# KiCad board rabbit_mask_capacitors.kicad_pcb (continued)
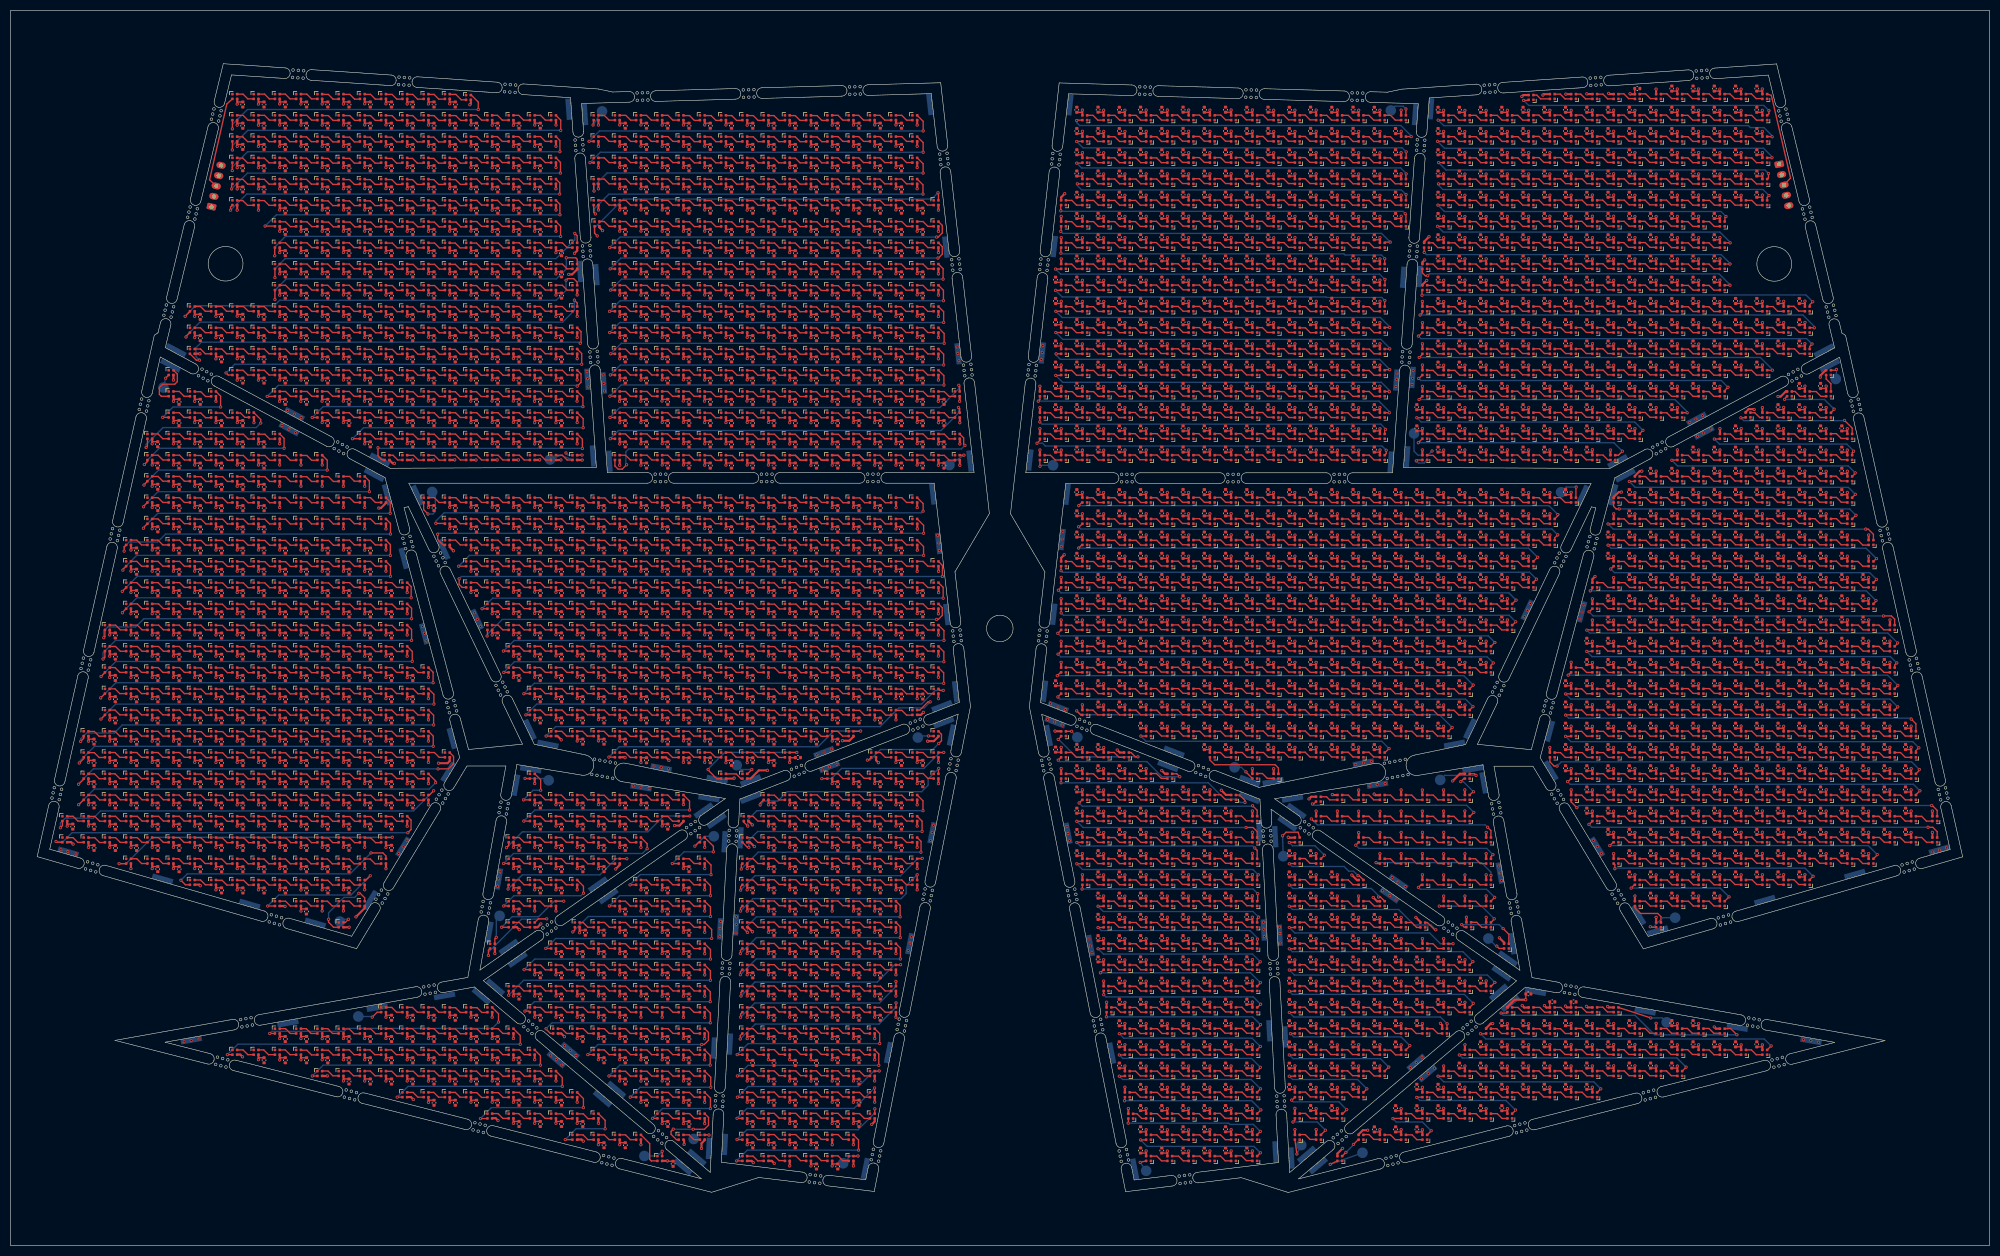
[diagram p0: board, top side]
## Routing (per net, layer and track width the routed paths; a pad name or vN(x,y) marks a point on that pad's centre or on a via; arc(x,y) is an arc through that point) (continued)
  Bottom w0.25: v1(204.7,63.86) 205.67,62.89 233.85,62.89 v1(234.93,61.81)
Net-(D2722-DIN): length 3.5
  Top w0.25: 213.84,63.91 212.74,63.91 211.84,64.81 210.74,64.81
Net-(D2723-DIN): length 3.5
  Top w0.25: 214.74,64.81 215.84,64.81 216.74,63.91 217.84,63.91
Net-(D2724-DIN): length 3.5
  Top w0.25: 221.74,63.91 220.64,63.91 219.74,64.81 218.64,64.81
Net-(D2725-DIN): length 3.5
  Top w0.25: 222.59,64.86 223.69,64.86 224.59,63.96 225.69,63.96
Net-(D2726-DIN): length 3.5
  Top w0.25: 226.69,64.86 227.79,64.86 228.69,63.96 229.79,63.96
Net-(D2727-DIN): length 3.5
  Top w0.25: 233.79,63.96 232.69,63.96 231.79,64.86 230.69,64.86
Net-(D2729-DIN): length 3.5
  Top w0.25: 242.54,64.86 243.64,64.86 244.54,63.96 245.64,63.96
Net-(D2729-DOUT): length 33.1
  Top w0.25: v1(240.7,63.86) 241.7,63.86 D2729.3 ; v1(268.27,59.44) 268.05,59.44 266.7,60.79 D2756.1
  Bottom w0.25: v1(268.27,59.44) 267.38,60.34 264.15,60.34 264.15,60.39 261.28,63.26 241.3,63.26 v1(240.7,63.86)
Net-(D2730-DIN): length 3.5
  Top w0.25: 249.69,63.96 248.59,63.96 247.69,64.86 246.59,64.86
Net-(D2731-DIN): length 3.5
  Top w0.25: 253.74,63.91 252.64,63.91 251.74,64.81 250.64,64.81
Net-(D2732-DIN): length 3.5
  Top w0.25: 257.79,63.91 256.69,63.91 255.79,64.81 254.69,64.81
Net-(D2734-DIN): length 3.5
  Top w0.25: 270.65,64.8 271.75,64.8 272.65,63.9 273.75,63.9
Net-(D2734-DOUT): length 13.1
  Top w0.25: D2734.3 268.95,63.91 v1(268.93,63.89) ; D2758.1 279.27,61.44 v1(279.27,61.51)
  Bottom w0.25: v1(279.27,61.51) 276.9,63.89 v1(268.93,63.89)
Net-(D2735-DIN): length 3.5
  Top w0.25: 274.7,64.8 275.8,64.8 276.7,63.9 277.8,63.9
Net-(D2737-DIN): length 3.5
  Top w0.25: 306.64,64.81 307.74,64.81 308.64,63.91 309.74,63.91
Net-(D2737-DOUT): length 7
  Top w0.25: D2759.1 310.65,61.91 310.05,62.51 306.82,62.51 305.75,63.59 D2737.3
Net-(D2738-DIN): length 3.5
  Top w0.25: 313.84,63.91 312.74,63.91 311.84,64.81 310.74,64.81
Net-(D2739-DIN): length 3.5
  Top w0.25: 317.84,63.91 316.74,63.91 315.84,64.81 314.74,64.81
Net-(D2740-DIN): length 3.5
  Top w0.25: 318.64,64.81 319.74,64.81 320.64,63.91 321.74,63.91
Net-(D2742-DIN): length 3.5
  Top w0.25: 206.64,60.8 207.74,60.8 208.64,59.9 209.74,59.9
Net-(D2742-DOUT): length 33
  Top w0.25: v1(234.7,57.66) 234.7,56.86 D2767.1 ; D2742.3 205.7,59.86 v1(204.7,59.86)
  Bottom w0.25: v1(234.7,57.66) 234.7,57.89 233.3,59.29 205.27,59.29 v1(204.7,59.86)
Net-(D2743-DIN): length 3.5
  Top w0.25: 213.84,59.9 212.74,59.9 211.84,60.8 210.74,60.8
Net-(D2744-DIN): length 3.5
  Top w0.25: 214.74,60.8 215.84,60.8 216.74,59.9 217.84,59.9
Net-(D2745-DIN): length 3.5
  Top w0.25: 218.64,60.8 219.74,60.8 220.64,59.9 221.74,59.9
Net-(D2746-DIN): length 3.5
  Top w0.25: 222.59,60.85 223.69,60.85 224.59,59.95 225.69,59.95
Net-(D2747-DIN): length 3.5
  Top w0.25: 229.79,59.95 228.69,59.95 227.79,60.85 226.69,60.85
Net-(D2748-DIN): length 3.5
  Top w0.25: 230.69,60.85 231.79,60.85 232.69,59.95 233.79,59.95
Net-(D2750-DIN): length 3.5
  Top w0.25: 245.64,59.95 244.54,59.95 243.64,60.85 242.54,60.85
Net-(D2750-DOUT): length 34
  Top w0.25: D2750.3 241.7,59.86 v1(240.7,59.86) ; D2775.1 v1(271.52,56.81)
  Bottom w0.25: v1(271.52,56.81) 269.15,56.81 267.12,58.84 241.72,58.84 v1(240.7,59.86)
Net-(D2751-DIN): length 3.5
  Top w0.25: 249.69,59.95 248.59,59.95 247.69,60.85 246.59,60.85
Net-(D2752-DIN): length 3.5
  Top w0.25: 250.64,60.8 251.74,60.8 252.64,59.9 253.74,59.9
Net-(D2753-DIN): length 3.5
  Top w0.25: 254.69,60.8 255.79,60.8 256.69,59.9 257.79,59.9
Net-(D2754-DIN): length 3.5
  Top w0.25: 258.59,60.8 259.69,60.8 260.59,59.9 261.69,59.9
Net-(D2755-DIN): length 3.1
  Top w0.25: D2756.3 264.65,59.89 263.74,60.8 262.64,60.8
Net-(D2757-DIN): length 3.2
  Top w0.25: 277.72,59.91 276.92,59.91 276,60.84 274.89,60.84
Net-(D2757-DOUT): length 12.5
  Top w0.25: v1(273.15,60.41) 273.62,59.94 D2757.3 ; v1(280.95,59.66) 282.02,58.59 D2776.1
  Bottom w0.25: v1(280.95,59.66) 280.2,60.41 v1(273.15,60.41)
Net-(D2760-DIN): length 3.5
  Top w0.25: 206.64,56.8 207.74,56.8 208.64,55.9 209.74,55.9
Net-(D2760-DOUT): length 33.4
  Top w0.25: v1(235.22,53.41) 234.65,52.84 D2784.1 ; D2760.3 205.7,55.86 v1(204.7,55.86)
  Bottom w0.25: v1(235.22,53.41) 233.77,54.86 205.7,54.86 v1(204.7,55.86)
Net-(D2761-DIN): length 3.5
  Top w0.25: 213.84,55.9 212.74,55.9 211.84,56.8 210.74,56.8
Net-(D2762-DIN): length 3.5
  Top w0.25: 217.84,55.9 216.74,55.9 215.84,56.8 214.74,56.8
Net-(D2763-DIN): length 3.5
  Top w0.25: 218.64,56.8 219.74,56.8 220.64,55.9 221.74,55.9
Net-(D2764-DIN): length 3.5
  Top w0.25: 222.59,56.85 223.69,56.85 224.59,55.95 225.69,55.95
Net-(D2765-DIN): length 3.5
  Top w0.25: 229.79,55.95 228.69,55.95 227.79,56.85 226.69,56.85
Net-(D2766-DIN): length 3.5
  Top w0.25: 233.79,55.95 232.69,55.95 231.79,56.85 230.69,56.85
Net-(D2768-DIN): length 3.5
  Top w0.25: 245.64,55.95 244.54,55.95 243.64,56.85 242.54,56.85
Net-(D2768-DOUT): length 37.5
  Top w0.25: D2793.1 275.25,53.41 v1(275.25,53.44) ; v1(240.7,55.86) 241.7,55.86 D2768.3
  Bottom w0.25: v1(275.25,53.44) 273.38,55.31 241.25,55.31 v1(240.7,55.86)
Net-(D2769-DIN): length 3.5
  Top w0.25: 249.69,55.95 248.59,55.95 247.69,56.85 246.59,56.85
Net-(D2770-DIN): length 3.5
  Top w0.25: 253.74,55.9 252.64,55.9 251.74,56.8 250.64,56.8
Net-(D2771-DIN): length 3.5
  Top w0.25: 257.79,55.9 256.69,55.9 255.79,56.8 254.69,56.8
Net-(D2772-DIN): length 3.5
  Top w0.25: 261.69,55.9 260.59,55.9 259.69,56.8 258.59,56.8
Net-(D2773-DIN): length 3.5
  Top w0.25: 262.64,56.8 263.74,56.8 264.64,55.9 265.74,55.9
Net-(D2774-DIN): length 3.5
  Top w0.25: 266.64,56.8 267.74,56.8 268.64,55.9 269.74,55.9
Net-(D2777-DIN): length 3.5
  Top w0.25: 209.74,51.9 208.64,51.9 207.74,52.8 206.64,52.8
Net-(D2777-DOUT): length 32.6
  Top w0.25: v1(235.25,49.49) 235.25,49.41 D2801.1 ; v1(205.15,51.34) 205.72,51.91 D2777.3
  Bottom w0.25: v1(235.25,49.49) 233.4,51.34 v1(205.15,51.34)
Net-(D2778-DIN): length 3.5
  Top w0.25: 213.84,51.9 212.74,51.9 211.84,52.8 210.74,52.8
Net-(D2779-DIN): length 3.5
  Top w0.25: 217.84,51.9 216.74,51.9 215.84,52.8 214.74,52.8
Net-(D2780-DIN): length 3.5
  Top w0.25: 218.64,52.8 219.74,52.8 220.64,51.9 221.74,51.9
Net-(D2781-DIN): length 3.5
  Top w0.25: 222.59,52.85 223.69,52.85 224.59,51.95 225.69,51.95
Net-(D2782-DIN): length 3.5
  Top w0.25: 229.79,51.95 228.69,51.95 227.79,52.85 226.69,52.85
Net-(D2783-DIN): length 3.5
  Top w0.25: 233.79,51.95 232.69,51.95 231.79,52.85 230.69,52.85
Net-(D2785-DIN): length 3.5
  Top w0.25: 242.54,52.85 243.64,52.85 244.54,51.95 245.64,51.95
Net-(D2785-DOUT): length 41.8
  Top w0.25: v1(279.4,49.51) 278.7,48.81 D2811.1 ; v1(240.7,51.86) 241.7,51.86 D2785.3
  Bottom w0.25: v1(240.7,51.86) 241.65,50.91 278,50.91 v1(279.4,49.51)
Net-(D2786-DIN): length 3.5
  Top w0.25: 249.69,51.95 248.59,51.95 247.69,52.85 246.59,52.85
Net-(D2787-DIN): length 3.5
  Top w0.25: 253.74,51.9 252.64,51.9 251.74,52.8 250.64,52.8
Net-(D2788-DIN): length 3.5
  Top w0.25: 257.79,51.9 256.69,51.9 255.79,52.8 254.69,52.8
Net-(D2789-DIN): length 3.5
  Top w0.25: 258.59,52.8 259.69,52.8 260.59,51.9 261.69,51.9
Net-(D2790-DIN): length 3.5
  Top w0.25: 265.74,51.9 264.64,51.9 263.74,52.8 262.64,52.8
Net-(D2791-DIN): length 3.5
  Top w0.25: 269.75,51.9 268.65,51.9 267.75,52.8 266.65,52.8
Net-(D2792-DIN): length 3.5
  Top w0.25: 270.7,52.8 271.8,52.8 272.7,51.9 273.8,51.9
Net-(D2794-DIN): length 3.5
  Top w0.25: 209.74,47.9 208.64,47.9 207.74,48.8 206.64,48.8
Net-(D2794-DOUT): length 31.9
  Top w0.25: v1(235.3,45.41) 234.7,44.81 D2819.1 ; v1(205.75,47.21) D2794.3
  Bottom w0.25: v1(205.75,47.21) 206.17,46.79 233.93,46.79 v1(235.3,45.41)
Net-(D2795-DIN): length 3.5
  Top w0.25: 213.84,47.9 212.74,47.9 211.84,48.8 210.74,48.8
Net-(D2796-DIN): length 3.5
  Top w0.25: 217.84,47.9 216.74,47.9 215.84,48.8 214.74,48.8
Net-(D2797-DIN): length 3.5
  Top w0.25: 218.64,48.8 219.74,48.8 220.64,47.9 221.74,47.9
Net-(D2798-DIN): length 3.5
  Top w0.25: 222.59,48.85 223.69,48.85 224.59,47.95 225.69,47.95
Net-(D2799-DIN): length 3.5
  Top w0.25: 229.79,47.95 228.69,47.95 227.79,48.85 226.69,48.85
Net-(D2800-DIN): length 3.5
  Top w0.25: 233.79,47.95 232.69,47.95 231.79,48.85 230.69,48.85
Net-(D2802-DIN): length 3.5
  Top w0.25: 242.54,48.85 243.64,48.85 244.54,47.95 245.64,47.95
Net-(D2802-DOUT): length 37.7
  Top w0.25: v1(275.32,45.59) 275.32,45.49 D2828.1 ; v1(240.7,47.86) 241.7,47.86 D2802.3
  Bottom w0.25: v1(240.7,47.86) 241.3,47.26 273.65,47.26 v1(275.32,45.59)
Net-(D2803-DIN): length 3.5
  Top w0.25: 249.69,47.95 248.59,47.95 247.69,48.85 246.59,48.85
Net-(D2804-DIN): length 3.5
  Top w0.25: 250.64,48.8 251.74,48.8 252.64,47.9 253.74,47.9
Net-(D2805-DIN): length 3.5
  Top w0.25: 257.79,47.9 256.69,47.9 255.79,48.8 254.69,48.8
Net-(D2806-DIN): length 3.5
  Top w0.25: 258.59,48.8 259.69,48.8 260.59,47.9 261.69,47.9
Net-(D2807-DIN): length 3.5
  Top w0.25: 262.64,48.8 263.74,48.8 264.64,47.9 265.74,47.9
Net-(D2808-DIN): length 3.5
  Top w0.25: D2809.3 268.65,47.91 267.75,48.81 D2808.1
Net-(D2809-DIN): length 3.5
  Top w0.25: 273.8,47.91 272.7,47.91 271.8,48.81 270.7,48.81
Net-(D2810-DIN): length 3.5
  Top w0.25: 274.6,48.81 275.7,48.81 276.6,47.91 277.7,47.91
Net-(D2812-DIN): length 2.9
  Top w0.25: 209.73,43.91 208.93,43.91 208.02,44.81 D2812.1
Net-(D2812-DOUT): length 31.5
  Top w0.25: D2841.1 235.27,41.44 v1(235.27,41.56) ; D2812.3 206.3,43.06 v1(206.27,43.04)
  Bottom w0.25: v1(235.27,41.56) 233.8,43.04 v1(206.27,43.04)
Net-(D2813-DIN): length 3.5
  Top w0.25: 210.73,44.81 211.83,44.81 212.73,43.91 213.83,43.91
Net-(D2814-DIN): length 3.5
  Top w0.25: 217.83,43.91 216.73,43.91 215.83,44.81 214.73,44.81
Net-(D2815-DIN): length 3.5
  Top w0.25: 221.73,43.91 220.63,43.91 219.73,44.81 218.63,44.81
Net-(D2816-DIN): length 3.5
  Top w0.25: 225.68,43.96 224.58,43.96 223.68,44.86 222.58,44.86
Net-(D2817-DIN): length 3.5
  Top w0.25: 229.78,43.96 228.68,43.96 227.78,44.86 226.68,44.86
Net-(D2818-DIN): length 3.5
  Top w0.25: 230.68,44.86 231.78,44.86 232.68,43.96 233.78,43.96
Net-(D2820-DIN): length 3.5
  Top w0.25: 245.63,43.96 244.53,43.96 243.63,44.86 242.53,44.86
Net-(D2820-DOUT): length 32.6
  Top w0.25: v1(240.7,43.86) 241.7,43.86 D2820.3 ; D2849.1 270.38,41.71 v1(270.4,41.74)
  Bottom w0.25: v1(270.4,41.74) 269.12,43.01 241.55,43.01 v1(240.7,43.86)
Net-(D2821-DIN): length 3.5
  Top w0.25: 249.68,43.96 248.58,43.96 247.68,44.86 246.58,44.86
Net-(D2822-DIN): length 3.5
  Top w0.25: 250.63,44.81 251.73,44.81 252.63,43.91 253.73,43.91
Net-(D2823-DIN): length 3.5
  Top w0.25: 254.68,44.81 255.78,44.81 256.68,43.91 257.78,43.91
Net-(D2824-DIN): length 3.5
  Top w0.25: 261.68,43.91 260.58,43.91 259.68,44.81 258.58,44.81
Net-(D2825-DIN): length 3.5
  Top w0.25: 265.73,43.91 264.63,43.91 263.73,44.81 262.63,44.81
Net-(D2826-DIN): length 3.5
  Top w0.25: 269.77,43.93 268.67,43.93 267.77,44.83 266.67,44.83
Net-(D2827-DIN): length 3.5
  Top w0.25: 270.66,44.8 271.76,44.8 272.66,43.9 273.76,43.9
Net-(D2829-DIN): length 3.5
  Top w0.25: 285.74,43.91 284.64,43.91 283.74,44.81 282.64,44.81
Net-(D2829-DOUT): length 50.1
  Top w0.25: v1(324.95,39.66) 323.77,40.84 323.27,40.84 323.25,40.81 D2861.1 ; v1(280.56,43.75) 281.58,43.75 D2829.3
  Bottom w0.25: v1(324.95,39.66) 309.46,39.66 305.78,43.34 280.97,43.34 v1(280.56,43.75)
Net-(D2830-DIN): length 3.5
  Top w0.25: 289.84,43.91 288.74,43.91 287.84,44.81 286.74,44.81
Net-(D2831-DIN): length 3.5
  Top w0.25: 293.84,43.91 292.74,43.91 291.84,44.81 290.74,44.81
Net-(D2832-DIN): length 3.5
  Top w0.25: 297.74,43.91 296.64,43.91 295.74,44.81 294.64,44.81
Net-(D2833-DIN): length 3.5
  Top w0.25: 298.59,44.86 299.69,44.86 300.59,43.96 301.69,43.96
Net-(D2835-DIN): length 3.5
  Top w0.25: 210.65,40.8 211.75,40.8 212.65,39.9 213.75,39.9
Net-(D2835-DOUT): length 29.5
  Top w0.25: D2868.1 234.65,36.86 v1(235.25,37.46) ; D2835.3 209.7,39.86 v1(208.7,39.86)
  Bottom w0.25: v1(208.7,39.86) 209.55,39.01 233.7,39.01 v1(235.25,37.46)
Net-(D2836-DIN): length 3.5
  Top w0.25: 214.75,40.8 215.85,40.8 216.75,39.9 217.85,39.9
Net-(D2837-DIN): length 3.5
  Top w0.25: 221.85,39.9 220.75,39.9 219.85,40.8 218.75,40.8
Net-(D2838-DIN): length 3.5
  Top w0.25: 225.75,39.9 224.65,39.9 223.75,40.8 222.65,40.8
Net-(D2839-DIN): length 3.5
  Top w0.25: 229.7,39.95 228.6,39.95 227.7,40.85 226.6,40.85
Net-(D2840-DIN): length 3.5
  Top w0.25: 233.8,39.95 232.7,39.95 231.8,40.85 230.7,40.85
Net-(D2842-DIN): length 3.5
  Top w0.25: 245.75,39.95 244.65,39.95 243.75,40.85 242.65,40.85
Net-(D2842-DOUT): length 25.4
  Top w0.25: D2874.1 263.38,37.54 v1(263.38,37.64) ; v1(240.92,39.87) 240.96,39.91 D2842.3
  Bottom w0.25: v1(240.92,39.87) 241.53,39.26 261.75,39.26 v1(263.38,37.64)
Net-(D2843-DIN): length 3.5
  Top w0.25: 246.55,40.85 247.65,40.85 248.55,39.95 249.65,39.95
Net-(D2844-DIN): length 3.5
  Top w0.25: 253.7,39.95 252.6,39.95 251.7,40.85 250.6,40.85
Net-(D2845-DIN): length 3.5
  Top w0.25: 254.65,40.8 255.75,40.8 256.65,39.9 257.75,39.9
Net-(D2846-DIN): length 3.5
  Top w0.25: 261.8,39.9 260.7,39.9 259.8,40.8 258.7,40.8
Net-(D2847-DIN): length 3.5
  Top w0.25: 262.6,40.8 263.7,40.8 264.6,39.9 265.7,39.9
Net-(D2848-DIN): length 3.2
  Top w0.25: D2849.3 268.64,39.91 267.75,40.8 266.65,40.8
Net-(D2850-DIN): length 3.5
  Top w0.25: 281.75,39.9 280.65,39.9 279.75,40.8 278.65,40.8
Net-(D2850-DOUT): length 57.8
  Top w0.25: D2850.3 277.7,39.86 v1(276.7,39.86) ; D2889.1 v1(331.4,37.56)
  Bottom w0.25: v1(331.4,37.56) 330.1,38.86 277.7,38.86 v1(276.7,39.86)
Net-(D2851-DIN): length 3.5
  Top w0.25: 285.85,39.9 284.75,39.9 283.85,40.8 282.75,40.8
Net-(D2852-DIN): length 3.5
  Top w0.25: 289.85,39.9 288.75,39.9 287.85,40.8 286.75,40.8
Net-(D2853-DIN): length 3.5
  Top w0.25: 290.65,40.8 291.75,40.8 292.65,39.9 293.75,39.9
Net-(D2854-DIN): length 3.5
  Top w0.25: 294.6,40.85 295.7,40.85 296.6,39.95 297.7,39.95
Net-(D2855-DIN): length 3.5
  Top w0.25: 298.7,40.85 299.8,40.85 300.7,39.95 301.8,39.95
Net-(D2856-DIN): length 3.5
  Top w0.25: 305.8,39.95 304.7,39.95 303.8,40.85 302.7,40.85
Net-(D2857-DIN): length 3.5
  Top w0.25: 309.7,39.95 308.6,39.95 307.7,40.85 306.6,40.85
Net-(D2858-DIN): length 3.5
  Top w0.25: 310.65,40.85 311.75,40.85 312.65,39.95 313.75,39.95
Net-(D2859-DIN): length 3.5
  Top w0.25: 317.65,39.95 316.55,39.95 315.65,40.85 314.55,40.85
Net-(D2860-DIN): length 3.5
  Top w0.25: 321.7,39.95 320.6,39.95 319.7,40.85 318.6,40.85
Net-(D2862-DIN): length 3.5
  Top w0.25: 213.75,35.88 212.65,35.88 211.75,36.78 210.65,36.78
Net-(D2862-DOUT): length 29.6
  Top w0.25: D2896.1 235.25,33.41 v1(235.25,33.54) ; D2862.3 209.7,35.86 v1(208.7,35.86)
  Bottom w0.25: v1(235.25,33.54) 233.57,35.21 209.35,35.21 v1(208.7,35.86)
Net-(D2863-DIN): length 3.5
  Top w0.25: 217.85,35.88 216.75,35.88 215.85,36.78 214.75,36.78
Net-(D2864-DIN): length 3.5
  Top w0.25: 218.75,36.78 219.85,36.78 220.75,35.88 221.85,35.88
Net-(D2865-DIN): length 3.5
  Top w0.25: 222.65,36.78 223.75,36.78 224.65,35.88 225.75,35.88
Net-(D2866-DIN): length 3.5
  Top w0.25: 226.6,36.83 227.7,36.83 228.6,35.93 229.7,35.93
Net-(D2867-DIN): length 3.5
  Top w0.25: 230.7,36.83 231.8,36.83 232.7,35.93 233.8,35.93
Net-(D2869-DIN): length 3.5
  Top w0.25: 242.65,36.83 243.75,36.83 244.65,35.93 245.75,35.93
Net-(D2869-DOUT): length 21.8
  Top w0.25: v1(240.7,35.86) 241.7,35.86 D2869.3 ; D2901.1 v1(259.43,33.59)
  Bottom w0.25: v1(259.43,33.59) 257.85,35.16 241.4,35.16 v1(240.7,35.86)
Net-(D2870-DIN): length 3.5
  Top w0.25: 246.55,36.83 247.65,36.83 248.55,35.93 249.65,35.93
Net-(D2871-DIN): length 3.5
  Top w0.25: 253.7,35.93 252.6,35.93 251.7,36.83 250.6,36.83
Net-(D2872-DIN): length 3.5
  Top w0.25: 254.65,36.78 255.75,36.78 256.65,35.88 257.75,35.88
Net-(D2873-DIN): length 3.5
  Top w0.25: 261.8,35.88 260.7,35.88 259.8,36.78 258.7,36.78
Net-(D2875-DIN): length 3.5
  Top w0.25: 274.64,36.8 275.74,36.8 276.64,35.9 277.74,35.9
Net-(D2875-DOUT): length 45.8
  Top w0.25: v1(272.7,35.86) 272.75,35.91 D2875.3 ; v1(315.4,33.56) D2913.1
  Bottom w0.25: v1(315.4,33.56) 313.68,35.29 273.27,35.29 v1(272.7,35.86)
Net-(D2876-DIN): length 3.5
  Top w0.25: 278.74,36.8 279.84,36.8 280.74,35.9 281.84,35.9
Net-(D2877-DIN): length 3.5
  Top w0.25: 285.84,35.9 284.74,35.9 283.84,36.8 282.74,36.8
Net-(D2878-DIN): length 3.5
  Top w0.25: 289.74,35.9 288.64,35.9 287.74,36.8 286.64,36.8
Net-(D2879-DIN): length 3.5
  Top w0.25: 290.59,36.85 291.69,36.85 292.59,35.95 293.69,35.95
Net-(D2880-DIN): length 3.5
  Top w0.25: 297.79,35.95 296.69,35.95 295.79,36.85 294.69,36.85
Net-(D2881-DIN): length 3.5
  Top w0.25: 298.69,36.85 299.79,36.85 300.69,35.95 301.79,35.95
Net-(D2882-DIN): length 3.5
  Top w0.25: 305.69,35.95 304.59,35.95 303.69,36.85 302.59,36.85
Net-(D2883-DIN): length 3.5
  Top w0.25: 309.74,35.95 308.64,35.95 307.74,36.85 306.64,36.85
Net-(D2884-DIN): length 3.5
  Top w0.25: 310.54,36.85 311.64,36.85 312.54,35.95 313.64,35.95
Net-(D2885-DIN): length 3.5
  Top w0.25: 317.69,35.95 316.59,35.95 315.69,36.85 314.59,36.85
Net-(D2886-DIN): length 3.5
  Top w0.25: 321.74,35.9 320.64,35.9 319.74,36.8 318.64,36.8
Net-(D2887-DIN): length 3.5
  Top w0.25: 322.69,36.8 323.79,36.8 324.69,35.9 325.79,35.9
Net-(D2888-DIN): length 3.5
  Top w0.25: 329.69,35.9 328.59,35.9 327.69,36.8 326.59,36.8
Net-(D2890-DIN): length 3.5
  Top w0.25: D2891.3 212.65,31.91 211.75,32.81 D2890.1
Net-(D2890-DOUT): length 29.6
  Top w0.25: D2920.1 234.65,28.86 v1(235.27,29.49) ; v1(208.7,31.86) 209.7,31.86 D2890.3
  Bottom w0.25: v1(208.7,31.86) 209.32,31.24 233.52,31.24 v1(235.27,29.49)
Net-(D2891-DIN): length 3.5
  Top w0.25: 217.85,31.91 216.75,31.91 215.85,32.81 214.75,32.81
Net-(D2892-DIN): length 3.5
  Top w0.25: 221.85,31.91 220.75,31.91 219.85,32.81 218.75,32.81
Net-(D2893-DIN): length 3.5
  Top w0.25: D2893.1 223.75,32.81 224.65,31.91 D2894.3
Net-(D2894-DIN): length 3.5
  Top w0.25: 226.6,32.86 227.7,32.86 228.6,31.96 229.7,31.96
Net-(D2895-DIN): length 3.5
  Top w0.25: 230.7,32.86 231.8,32.86 232.7,31.96 233.8,31.96
Net-(D2897-DIN): length 3.5
  Top w0.25: 242.65,32.86 243.75,32.86 244.65,31.96 245.75,31.96
Net-(D2897-DOUT): length 17.6
  Top w0.25: v1(240.7,31.86) 241.7,31.86 D2897.3 ; v1(255.3,29.49) 255.3,29.46 D2924.1
  Bottom w0.25: v1(255.3,29.49) 253.55,31.24 241.32,31.24 v1(240.7,31.86)
Net-(D2898-DIN): length 3.5
  Top w0.25: 249.65,31.96 248.55,31.96 247.65,32.86 246.55,32.86
Net-(D2899-DIN): length 3.5
  Top w0.25: 253.7,31.96 252.6,31.96 251.7,32.86 250.6,32.86
Net-(D2900-DIN): length 3.5
  Top w0.25: D2900.1 255.75,32.81 256.65,31.91 D2901.3
Net-(D2902-DIN): length 3.5
  Top w0.25: 273.75,31.9 272.65,31.9 271.75,32.8 270.65,32.8
Net-(D2902-DOUT): length 33.6
  Top w0.25: v1(268.7,31.86) 269.7,31.86 D2902.3 ; D2933.1 v1(299.32,29.49)
  Bottom w0.25: v1(268.7,31.86) 269.75,30.81 298,30.81 v1(299.32,29.49)
Net-(D2903-DIN): length 3.5
  Top w0.25: 274.75,32.8 275.85,32.8 276.75,31.9 277.85,31.9
Net-(D2904-DIN): length 3.5
  Top w0.25: 281.85,31.9 280.75,31.9 279.85,32.8 278.75,32.8
Net-(D2905-DIN): length 3.5
  Top w0.25: 285.75,31.9 284.65,31.9 283.75,32.8 282.65,32.8
Net-(D2906-DIN): length 3.5
  Top w0.25: 286.6,32.85 287.7,32.85 288.6,31.95 289.7,31.95
Net-(D2907-DIN): length 3.5
  Top w0.25: 293.8,31.95 292.7,31.95 291.8,32.85 290.7,32.85
Net-(D2908-DIN): length 3.5
  Top w0.25: 294.7,32.85 295.8,32.85 296.7,31.95 297.8,31.95
Net-(D2909-DIN): length 3.5
  Top w0.25: 301.7,31.95 300.6,31.95 299.7,32.85 298.6,32.85
Net-(D2910-DIN): length 3.5
  Top w0.25: 305.75,31.95 304.65,31.95 303.75,32.85 302.65,32.85
Net-(D2911-DIN): length 3.5
  Top w0.25: 309.65,31.95 308.55,31.95 307.65,32.85 306.55,32.85
Net-(D2912-DIN): length 3.5
  Top w0.25: 310.6,32.85 311.7,32.85 312.6,31.95 313.7,31.95
Net-(D2914-DIN): length 3.5
  Top w0.25: D2915.3 212.65,27.91 211.75,28.81 D2914.1
Net-(D2914-DOUT): length 28.1
  Top w0.25: v1(209.67,27.24) 209.75,27.31 D2914.3 ; v1(235.35,25.51) D2940.1
  Bottom w0.25: v1(209.67,27.24) 233.62,27.24 v1(235.35,25.51)
Net-(D2915-DIN): length 3.5
  Top w0.25: 214.75,28.81 215.85,28.81 216.75,27.91 217.85,27.91
Net-(D2916-DIN): length 3.5
  Top w0.25: 221.85,27.91 220.75,27.91 219.85,28.81 218.75,28.81
Net-(D2917-DIN): length 3.5
  Top w0.25: D2917.1 223.75,28.81 224.65,27.91 D2918.3
Net-(D2918-DIN): length 3.5
  Top w0.25: 226.6,28.86 227.7,28.86 228.6,27.96 229.7,27.96
Net-(D2919-DIN): length 3.5
  Top w0.25: 233.8,27.96 232.7,27.96 231.8,28.86 230.7,28.86
Net-(D2921-DIN): length 3.5
  Top w0.25: 242.65,28.86 243.75,28.86 244.65,27.96 245.75,27.96
Net-(D2921-DOUT): length 13.1
  Top w0.25: D2943.1 250.75,24.81 v1(251.5,25.56) ; v1(241.12,27.36) 241.2,27.36 D2921.3
  Bottom w0.25: v1(241.12,27.36) 241.45,27.04 250.02,27.04 v1(251.5,25.56)
Net-(D2922-DIN): length 3.5
  Top w0.25: 246.55,28.86 247.65,28.86 248.55,27.96 249.65,27.96
Net-(D2923-DIN): length 3.5
  Top w0.25: 253.7,27.96 252.6,27.96 251.7,28.86 250.6,28.86
Net-(D2925-DIN): length 3.5
  Top w0.25: D2926.3 268.65,27.91 267.75,28.81 D2925.1
Net-(D2925-DOUT): length 21.6
  Top w0.25: D2949.1 283.27,25.44 v1(283.27,25.49) ; D2925.3 264.75,27.91 v1(264.7,27.86)
  Bottom w0.25: v1(283.27,25.49) 281.47,27.29 265.27,27.29 v1(264.7,27.86)
Net-(D2926-DIN): length 3.5
  Top w0.25: 273.75,27.9 272.65,27.9 271.75,28.8 270.65,28.8
Net-(D2927-DIN): length 3.5
  Top w0.25: 277.85,27.9 276.75,27.9 275.85,28.8 274.75,28.8
Net-(D2928-DIN): length 3.5
  Top w0.25: 281.85,27.9 280.75,27.9 279.85,28.8 278.75,28.8
Net-(D2929-DIN): length 3.5
  Top w0.25: 282.65,28.8 283.75,28.8 284.65,27.9 285.75,27.9
Net-(D2930-DIN): length 3.5
  Top w0.25: 289.7,27.95 288.6,27.95 287.7,28.85 286.6,28.85
Net-(D2931-DIN): length 3.5
  Top w0.25: 293.8,27.95 292.7,27.95 291.8,28.85 290.7,28.85
Net-(D2932-DIN): length 3.5
  Top w0.25: 297.8,27.95 296.7,27.95 295.8,28.85 294.7,28.85
Net-(D2934-DIN): length 2.8
  Top w0.25: D2934.1 212.02,24.79 212.91,23.9 213.75,23.9
Net-(D2934-DOUT): length 27.3
  Top w0.25: v1(210.38,23.01) 210.4,23.04 D2934.3 ; v1(235.25,21.46) 234.65,20.86 D2955.1
  Bottom w0.25: v1(235.25,21.46) 233.93,22.79 229.47,22.79 229.25,23.01 v1(210.38,23.01)
Net-(D2935-DIN): length 3.5
  Top w0.25: 217.85,23.9 216.75,23.9 215.85,24.8 214.75,24.8
Net-(D2936-DIN): length 3.5
  Top w0.25: 218.75,24.8 219.85,24.8 220.75,23.9 221.85,23.9
Net-(D2937-DIN): length 3.5
  Top w0.25: 222.65,24.8 223.75,24.8 224.65,23.9 225.75,23.9
Net-(D2938-DIN): length 3.5
  Top w0.25: 226.6,24.85 227.7,24.85 228.6,23.95 229.7,23.95
Net-(D2939-DIN): length 3.5
  Top w0.25: 230.7,24.85 231.8,24.85 232.7,23.95 233.8,23.95
Net-(D2941-DIN): length 3.5
  Top w0.25: 245.75,23.95 244.65,23.95 243.75,24.85 242.65,24.85
Net-(D2941-DOUT): length 8.8
  Top w0.25: v1(247.5,21.69) 247.5,21.66 D2957.1 ; v1(241.4,23.24) 241.75,23.59 D2941.3
  Bottom w0.25: v1(247.5,21.69) 245.95,23.24 v1(241.4,23.24)
Net-(D2942-DIN): length 3.5
  Top w0.25: 249.65,23.95 248.55,23.95 247.65,24.85 246.55,24.85
Net-(D2944-DIN): length 3.5
  Top w0.25: 265.7,23.9 264.6,23.9 263.7,24.8 262.6,24.8
Net-(D2944-DOUT): length 10.8
  Top w0.25: D2944.3 260.25,23.91 v1(260.2,23.86) ; D2961.1 267.4,21.56 v1(267.4,21.59)
  Bottom w0.25: v1(267.4,21.59) 265.75,23.24 260.82,23.24 v1(260.2,23.86)
Net-(D2945-DIN): length 3.5
  Top w0.25: 269.75,23.9 268.65,23.9 267.75,24.8 266.65,24.8
Net-(D2946-DIN): length 3.5
  Top w0.25: 273.75,23.9 272.65,23.9 271.75,24.8 270.65,24.8
Net-(D2947-DIN): length 3.5
  Top w0.25: 277.85,23.9 276.75,23.9 275.85,24.8 274.75,24.8
Net-(D2948-DIN): length 3.5
  Top w0.25: 278.75,24.8 279.85,24.8 280.75,23.9 281.85,23.9
Net-(D2950-DIN): length 3.5
  Top w0.25: D2951.3 216.65,19.91 215.75,20.81 D2950.1
Net-(D2950-DOUT): length 25.5
  Top w0.25: v1(212.7,19.86) 213.7,19.86 D2950.3 ; D2967.1 234.65,16.84 v1(235.25,17.44)
  Bottom w0.25: v1(235.25,17.44) 234.05,18.64 213.92,18.64 v1(212.7,19.86)
Net-(D2951-DIN): length 3.5
  Top w0.25: 221.85,19.91 220.75,19.91 219.85,20.81 218.75,20.81
Net-(D2952-DIN): length 3.5
  Top w0.25: 222.75,20.81 223.85,20.81 224.75,19.91 225.85,19.91
Net-(D2953-DIN): length 3.5
  Top w0.25: D2954.3 228.65,19.91 227.75,20.81 D2953.1
Net-(D2954-DIN): length 3.5
  Top w0.25: 233.7,19.96 232.6,19.96 231.7,20.86 230.6,20.86
Net-(D2956-DIN): length 3.5
  Top w0.25: 245.7,19.96 244.6,19.96 243.7,20.86 242.6,20.86
Net-(D2958-DIN): length 3.5
  Top w0.25: 254.6,20.86 255.7,20.86 256.6,19.96 257.7,19.96
Net-(D2958-DOUT): length 4.4
  Top w0.25: D2958.3 253.68,19.91 v1(252.77,19.01) ; v1(251.35,17.51) D2968.1
  Bottom w0.25: v1(251.35,17.51) 252.77,18.94 v1(252.77,19.01)
Net-(D2959-DIN): length 3.5
  Top w0.25: D2960.3 260.65,19.91 259.75,20.81 D2959.1
Net-(D2960-DIN): length 3.5
  Top w0.25: 262.7,20.81 263.8,20.81 264.7,19.91 265.8,19.91
Net-(D2962-DIN): length 3.5
  Top w0.25: D2962.1 215.75,16.81 216.65,15.91 D2963.3
Net-(D2963-DIN): length 3.5
  Top w0.25: 218.75,16.81 219.85,16.81 220.75,15.91 221.85,15.91
Net-(D2964-DIN): length 3.5
  Top w0.25: 225.85,15.91 224.75,15.91 223.85,16.81 222.75,16.81
Net-(D2965-DIN): length 3.5
  Top w0.25: D2965.1 227.75,16.81 228.65,15.91 D2966.3
Net-(D2966-DIN): length 3.5
  Top w0.25: 230.6,16.86 231.7,16.86 232.6,15.96 233.7,15.96
